# KiCad board TEC.kicad_pcb (continued)
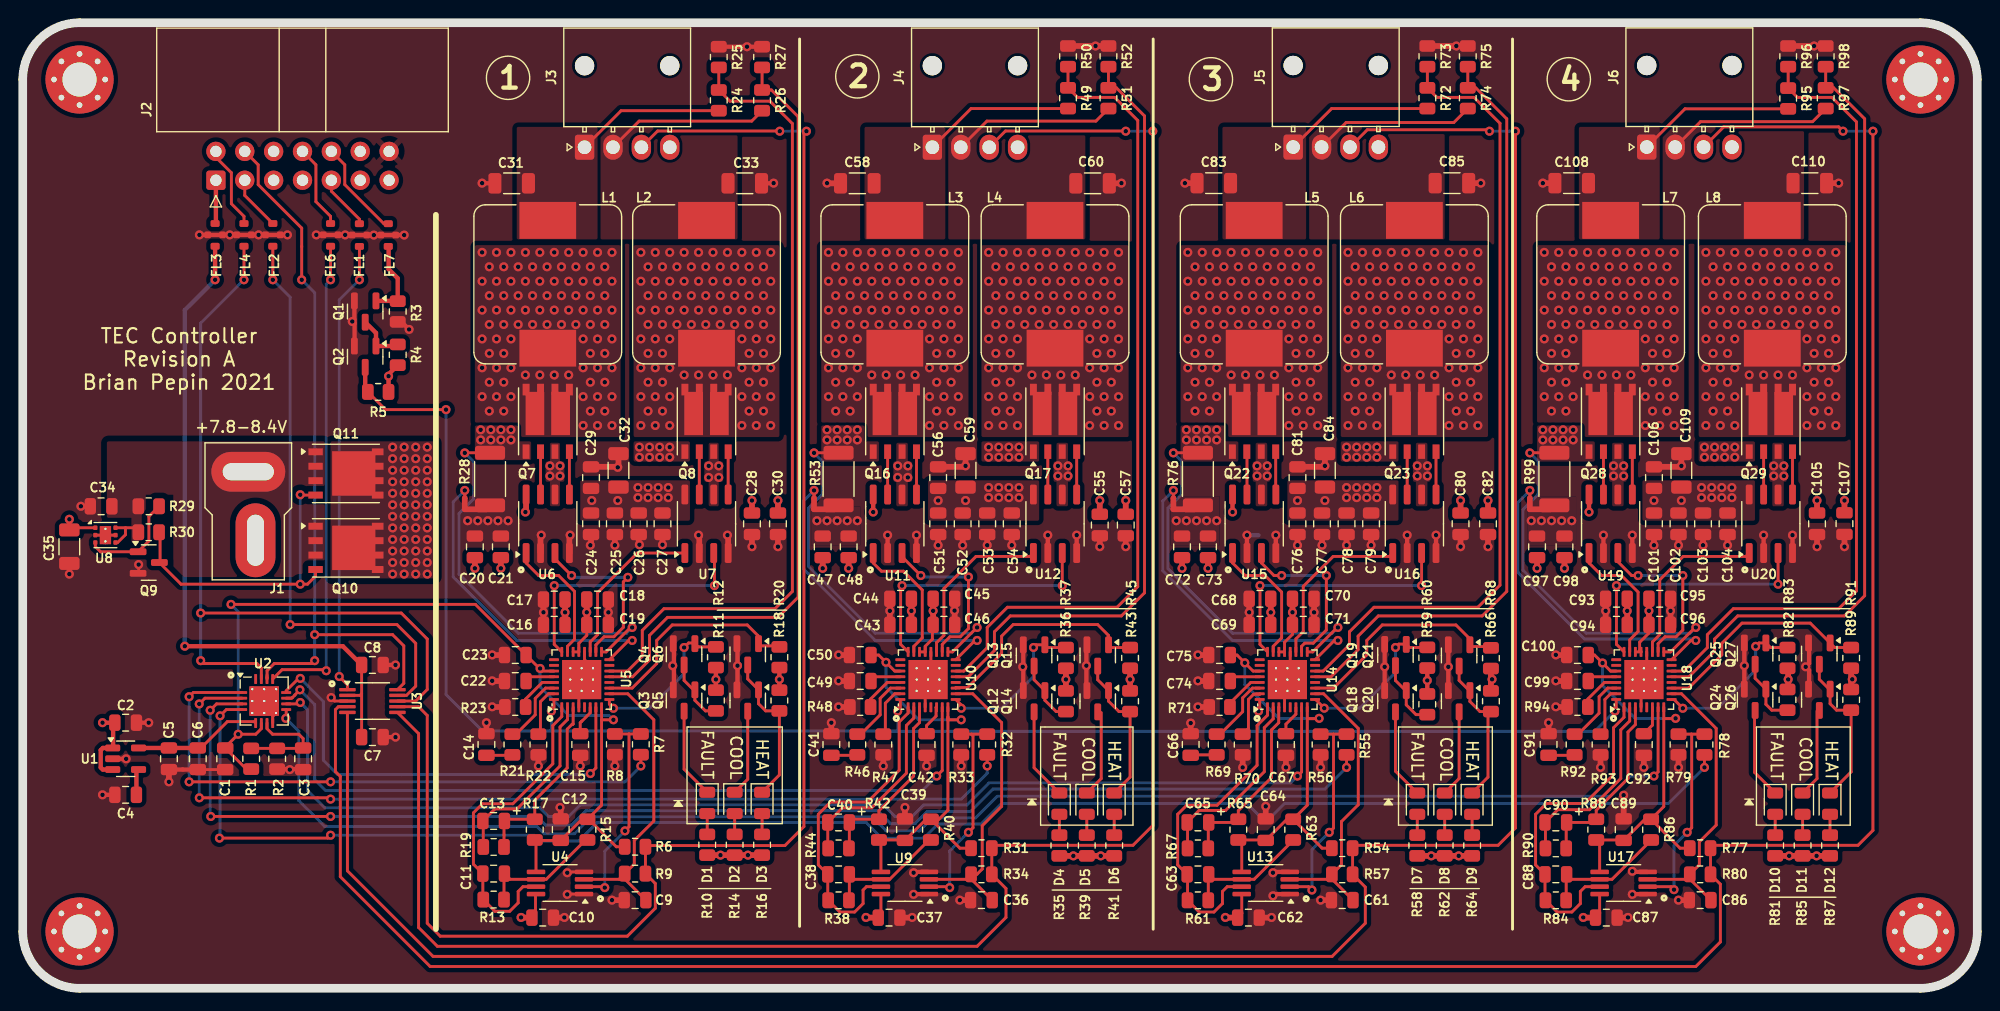
[diagram p0: board, top side]
## Routing (per net, layer and track width the routed paths; a pad name or vN(x,y) marks a point on that pad's centre or on a via; arc(x,y) is an arc through that point) (continued)
  vias: v1(133.77,49.16) v1(133.77,48.27) v1(134.66,49.16) v1(134.66,48.27) v1(135.55,49.16) v1(135.55,48.27) v1(136.44,49.16) v1(136.44,48.27) v1(147.99,47.64) v1(147.99,46.75) v1(148.88,47.64) v1(148.88,46.75) v1(149.77,47.64) v1(149.77,46.75) v1(150.66,47.64) v1(150.66,46.75)
Net-(Q29-D1):
  vias: v1(148.12,64.78) v1(148.12,62.24) v1(148.12,59.7) v1(148.12,57.16) v1(148.12,54.62) v1(148.12,52.08) v1(148.12,49.54) v1(148.75,63.51) v1(148.75,60.97) v1(148.75,58.43) v1(148.75,55.89) v1(148.75,53.35) v1(148.75,50.81) v1(149.39,64.78) v1(149.39,62.24) v1(149.39,59.7) v1(149.39,57.16) v1(149.39,54.62) v1(149.39,52.08) v1(149.39,49.54) v1(150.03,63.51) v1(150.03,60.97) v1(150.03,58.43) v1(150.03,55.89) v1(150.03,53.35) v1(150.03,50.81) v1(150.66,64.78) v1(150.66,62.24) v1(150.66,59.7) v1(150.66,57.16) v1(150.66,54.62) v1(150.66,52.08) v1(150.66,49.54) v1(151.29,63.51) v1(151.29,60.97) v1(151.29,58.43) v1(151.93,64.78) v1(151.93,62.24) v1(151.93,59.7) v1(151.93,53.99) v1(152.56,63.51) v1(152.56,60.97) v1(152.56,58.43) v1(153.2,64.78) v1(153.2,62.24) v1(153.2,59.7) v1(153.2,53.99) v1(153.84,63.51) v1(153.84,60.97) v1(153.84,58.43) v1(154.47,64.78) v1(154.47,62.24) v1(154.47,59.7) v1(154.47,53.99) v1(155.1,63.51) v1(155.1,60.97) v1(155.1,58.43) v1(155.74,64.78) v1(155.74,62.24) v1(155.74,59.7) v1(155.74,53.99) v1(156.38,63.51) v1(156.38,60.97) v1(156.38,58.43) v1(157.01,64.78) v1(157.01,62.24) v1(157.01,59.7) v1(157.01,57.16) v1(157.01,54.62) v1(157.01,52.08) v1(157.01,49.54) v1(157.65,63.51) v1(157.65,60.97) v1(157.65,58.43) v1(157.65,55.89) v1(157.65,53.35) v1(157.65,50.81) v1(158.28,64.78) v1(158.28,62.24) v1(158.28,59.7) v1(158.28,57.16) v1(158.28,54.62) v1(158.28,52.08) v1(158.28,49.54) v1(158.91,63.51) v1(158.91,60.97) v1(158.91,58.43) v1(158.91,55.89) v1(158.91,53.35) v1(158.91,50.81) v1(159.55,64.78) v1(159.55,62.24) v1(159.55,59.7) v1(159.55,57.16) v1(159.55,54.62) v1(159.55,52.08) v1(159.55,49.54)
Net-(Q29-G1): length 3.8
  Top w0.254: Q29.2 U20.7
Net-(Q29-G2): length 3.8
  Top w0.254: Q29.4 U20.5
Net-(U1-BP): length 2.3
  Top w0.381: C4.2 10.01,19.11 10.16,19.26
Net-(U1-VOUT): length 11.4
  Top w0.254: C6.2 15.69,21.16 18.01,23.47 20.37,23.47 U2.5
  Top w0.381: 10.16,21.16 C5.2 C6.2
Net-(U4-+IN): length 26.4
  Top w0.254: R9.1 52.47,9.59 U4.3 ; R9.1 52.97,9.62 C9.1 ; R9.1 53.82,10.94 53.82,13.01 55.54,14.73 55.54,23.64 53.25,25.92 U5.10
Net-(U4--IN): length 18.6
  Top w0.254: 53.35,22.39 53.35,14.21 v1(53,13.86) ; 53.35,22.39 R7.1 ; 53.35,22.39 R8.2 ; U4.2 51.14,8.94 v1(51.22,8.86)
  Bottom w0.254: v1(53,13.86) 51.22,12.08 v1(51.22,8.86)
Net-(U4-OUT): length 28.6
  Top w0.254: U5.1 47.44,23.92 46.65,23.13 46.65,19.76 43.13,16.24 40.46,16.24 39.66,15.44 39.66,10.92 C11.1 40.49,7.84 R13.1 41.56,6.78 42.86,6.78 43.6,7.52 43.6,8.52 44.02,8.94 U4.7
Net-(U4-RG): length 11.2
  Top w0.254: R15.2 49.53,13.05 46.07,9.59 U4.6 42.89,9.59 C11.2 42.35,10.06 R13.2
Net-(U5-CS-): length 29.5
  Top w0.254: v1(53.63,30.62) 53.32,30.62 U5.16 ; NT1.1 v1(38.9,43.83)
  Bottom w0.254: v1(38.9,43.83) 37.88,42.81 37.88,36.21 43.47,30.62 v1(53.63,30.62)
Net-(U5-CT): length 2.6
  Top w0.254: U5.28 44.67,27.42 C22.1
Net-(U5-EAOUT): length 16.5
  Top w0.254: R19.1 40.53,14.69 C13.2 41.55,15.78 43.5,15.78 47.28,19.57 47.28,23 47.94,23.66 U5.2
Net-(U5-FB): length 16.3
  Top w0.254: 42.39,12.48 42.35,12.52 42.35,14.69 C13.1 42.54,14.88 R17.1 45.06,16.55 47.92,19.41 47.92,22.81 48.34,23.24 48.41,23.24 48.44,23.27 U5.3
Net-(U5-NDRVA): length 14.6
  Top w0.254: U5.19 49.94,30.48 50.58,31.13 50.58,34.82 54.08,38.32 U7.1
Net-(U5-NDRVB): length 11.8
  Top w0.254: U6.1 44.3,37.44 45.4,36.33 47.16,36.33 48.55,34.94 48.55,30.72 47.94,30.11 U5.23
Net-(U5-PDRVA): length 15.8
  Top w0.254: U6.3 46.84,37.8 v1(48.3,36.33) ; v1(53.25,36.18) 52.85,35.78 52.85,31.77 52.02,30.95 51.16,30.95 50.44,30.22 U5.18
  Bottom w0.254: v1(48.3,36.33) 48.46,36.18 v1(53.25,36.18)
Net-(U5-PDRVB): length 23.1
  Top w0.254: U7.3 60.87,38.25 v1(60.87,35.45) ; U5.24 46.77,30.28 v1(46.77,35.45)
  Bottom w0.254: v1(46.77,35.45) 46.9,35.45 v1(60.87,35.45)
Net-(U5-PLLLPF): length 6.2
  Top w0.254: U5.30 46.01,26.42 45.1,25.52 45.1,24.07 43.4,22.37 R21.1
Net-(U5-RSLEW): length 4.4
  Top w0.254: R22.1 45.56,22.55 45.56,25.23 46.26,25.92 U5.31
Net-(U5-RT): length 3.8
  Top w0.254: U5.29 45.72,26.92 44.26,25.46 R23.2
Net-(U5-SS): length 2.7
  Top w0.254: U5.6 49.94,24.24 49.2,23.51 49.19,23.51 49.06,23.38 C15.2
Net-(U5-TEC+): length 71.2
  Top w0.254: U5.14 53.22,27.92 54.52,29.22 54.52,31.51 56.43,33.41 66.2,33.41 67.73,34.94 67.73,76.12 65.75,78.1 62.23,78.1 R24.1 R25.2
Net-(U5-TEC-): length 69.9
  Top w0.254: U5.13 53.68,27.42 55.16,28.91 55.16,31.06 56.74,32.65 66.46,32.65 68.24,34.43 68.24,76.73 65.89,79.08 R26.1 ; R26.1 R27.2 ; R26.1 65.76,79.08
Net-(U9--IN): length 18.6
  Top w0.254: U9.2 81.49,8.94 v1(81.57,8.86) ; R33.2 83.48,22.37 ; 83.48,22.37 83.62,22.23 83.62,14.13 v1(83.22,13.73) ; 83.48,22.37 R32.1
  Bottom w0.254: v1(81.57,8.86) 81.57,12.08 v1(83.22,13.73)
Net-(U9-RG): length 11.1
  Top w0.254: R38.2 72.74,7.78 C38.2 73.18,9.59 U9.6 76.29,9.59 79.75,13.05 R40.2
Net-(U10-CNTRL): length 29.2
  Top w0.254: U9.7 74.25,8.94 73.95,8.65 73.95,7.46 73.21,6.71 71.91,6.71 R38.1 70.84,7.78 C38.1 70.01,10.86 70.01,15.32 71.09,16.4 74.33,16.4 77.13,19.19 77.13,23.44 77.92,24.23 U10.1
Net-(U10-CS-): length 28.4
  Top w0.254: U10.16 83.8,30.62 v1(83.99,30.62) ; NT2.1 v1(69.63,43.83)
  Bottom w0.254: v1(69.63,43.83) 68.7,42.89 68.7,36.94 75.02,30.62 v1(83.99,30.62)
Net-(U10-CT): length 2.7
  Top w0.254: C49.1 75.03,27.42 U10.28
Net-(U10-EAOUT): length 17.1
  Top w0.254: U10.2 78.42,23.79 77.76,23.13 77.76,18.94 74.71,15.89 72.13,15.89 C40.2 70.84,12.35 R44.1
Net-(U10-FB): length 16.4
  Top w0.254: U10.3 78.92,23.39 78.4,22.87 78.4,18.68 75.35,15.63 R42.1 73.02,14.88 C40.1 72.74,12.35 R44.2
Net-(U10-NDRVA): length 15
  Top w0.254: U12.1 88.64,38.02 83.89,38.02 81.06,35.19 81.06,31.07 80.42,30.42 U10.19
Net-(U10-NDRVB): length 11.9
  Top w0.254: U10.23 78.42,30.11 79.16,30.85 79.16,35.06 77.51,36.72 75.57,36.72 74.84,37.44 U11.1
Net-(U10-PDRVA): length 15
  Top w0.254: U11.3 77.38,37.99 v1(79.03,36.33) ; U10.18 80.92,30.27 81.59,30.95 82.5,30.95 83.22,31.66 v1(83.22,36.21)
  Bottom w0.254: v1(83.22,36.21) 79.16,36.21 v1(79.03,36.33)
Net-(U10-PDRVB): length 23.1
  Top w0.254: v1(91.48,35.45) U12.3 ; U10.24 77.25,30.28 77.25,35.32 v1(77.38,35.45)
  Bottom w0.254: v1(77.38,35.45) v1(91.48,35.45)
Net-(U10-PLLLPF): length 6.3
  Top w0.254: U10.30 76.36,26.42 75.45,25.52 75.45,24.07 73.75,22.37 R46.1
Net-(U10-RSLEW): length 4.4
  Top w0.254: 77.2,25.92 76.74,25.92 75.91,25.1 75.91,22.55 R47.1
Net-(U10-RT): length 3.9
  Top w0.254: R48.2 74.61,25.46 76.07,26.92 U10.29
Net-(U10-SS): length 2.7
  Top w0.254: U10.6 80.39,24.74 80.37,24.72 80.37,23.96 79.54,23.13 C42.2
Net-(U10-TEC+): length 70.4
  Top w0.254: U10.14 82.81,27.92 84.87,29.98 84.87,31.76 86.65,33.54 96.3,33.54 98.12,35.36 98.12,76.4 96.09,78.43 92.83,78.43 R49.1 R50.2
Net-(U10-TEC-): length 68.7
  Top w0.254: U10.13 83.2,27.42 85.51,29.73 85.51,31.38 86.91,32.78 96.69,32.78 98.72,34.81 98.72,76.79 96.24,79.27 R51.1 R52.2
Net-(U10-VTHRM): length 26.8
  Top w0.254: R34.1 83.02,9.59 U9.3 ; R34.1 83.45,9.62 C36.1 ; R34.1 83.97,10.03 84.44,10.5 84.44,14.31 86.14,16.01 86.14,23.38 83.6,25.92 U10.10
Net-(U13-+IN): length 25.8
  Top w0.254: R57.1 116.05,10.87 116.05,14.68 117.53,16.16 117.53,22.88 114.48,25.92 U14.10 ; R57.1 115.2,9.62 C61.1 ; R57.1 114.77,9.59 U13.3
Net-(U13--IN): length 18.9
  Top w0.254: 115.35,22.37 115.35,14.1 v1(114.97,13.73) ; 115.35,22.37 R55.1 ; 115.35,22.37 R56.2 ; U13.2 113.16,8.94 v1(113.45,8.65)
  Bottom w0.254: v1(114.97,13.73) 113.45,12.21 v1(113.45,8.65)
Net-(U13-OUT): length 28.9
  Top w0.254: U14.1 109.54,24.04 108.62,23.13 108.62,19.63 105.1,16.11 102.43,16.11 101.64,15.32 101.64,10.86 C63.1 102.5,9.99 R61.1 103.53,6.71 104.83,6.71 105.57,7.46 105.57,8.52 106,8.94 U13.7
Net-(U13-RG): length 11.4
  Top w0.254: R63.2 111.8,13.03 108.36,9.59 U13.6 104.8,9.59 C63.2 104.33,9.99 R61.2
Net-(U14-CS-): length 28.8
  Top w0.254: NT3.1 v1(101.26,43.83) ; v1(115.73,30.62) 115.42,30.62 U14.16
  Bottom w0.254: v1(101.26,43.83) 100.32,42.89 100.32,36.75 106.45,30.62 v1(115.73,30.62)
Net-(U14-CT): length 2.7
  Top w0.254: C74.1 106.65,27.42 U14.28
Net-(U14-EAOUT): length 16.9
  Top w0.254: R67.1 102.5,14.56 C65.2 103.52,15.66 105.85,15.66 109.26,19.06 109.26,22.94 110.04,23.72 U14.2
Net-(U14-FB): length 16.4
  Top w0.254: R67.2 104.33,14.56 C65.1 106.69,14.6 R65.1 106.97,15.63 109.89,18.56 109.89,22.75 110.53,23.38 110.53,24.73 U14.3
Net-(U14-NDRVA): length 15.1
  Top w0.254: U14.19 112.04,30.76 112.69,31.41 112.69,35.38 115.32,38.02 120.26,38.02 U16.1
Net-(U14-NDRVB): length 11.8
  Top w0.254: U15.1 106.46,37.44 107.57,36.33 109.32,36.33 110.78,34.88 110.78,30.85 110.04,30.11 U14.23
Net-(U14-PDRVA): length 15.1
  Top w0.254: v1(110.78,36.33) 110.11,36.33 109,37.44 U15.3 ; U14.18 112.54,30.11 112.81,30.38 113.56,30.38 114.72,31.54 v1(114.72,36.34)
  Bottom w0.254: v1(110.78,36.33) 114.72,36.33 v1(114.72,36.34)
Net-(U14-PDRVB): length 23.2
  Top w0.254: v1(123.1,35.45) U16.3 ; U14.24 108.88,30.28 v1(108.88,35.45)
  Bottom w0.254: v1(123.1,35.45) v1(108.88,35.45)
Net-(U14-PLLLPF): length 6.2
  Top w0.254: U14.30 108.21,26.42 107.35,25.56 107.35,24.35 105.38,22.37 R69.1
Net-(U14-RSLEW): length 4.5
  Top w0.254: U14.31 108.85,25.9 108.84,25.88 108.32,25.88 107.86,25.43 107.86,22.88 R70.1
Net-(U14-RT): length 3.7
  Top w0.254: R71.2 106.23,25.09 108.07,26.92 U14.29
Net-(U14-SS): length 2.7
  Top w0.254: C67.2 111.16,23.25 112.04,24.13 112.04,24.71
Net-(U14-TEC+): length 70.3
  Top w0.254: U14.14 114.44,27.92 116.75,30.24 116.75,31.38 118.91,33.54 128.05,33.54 130,35.49 130,76.14 127.72,78.43 124.45,78.43 R72.1 R73.2
Net-(U14-TEC-): length 68.7
  Top w0.254: U14.13 115.13,27.42 117.51,29.81 117.51,31 119.29,32.78 128.44,32.78 130.59,34.94 130.59,76.54 127.87,79.27 R74.1 R75.2
Net-(U17-+IN): length 25.9
  Top w0.254: U17.3 146.26,9.59 R80.1 ; C86.1 146.7,9.62 R80.1 ; R80.1 147.54,10.87 147.54,12.88 149.02,14.36 149.02,22.88 145.97,25.92 U18.10
Net-(U17--IN): length 19.1
  Top w0.254: U17.2 145.05,8.94 v1(145.31,8.68) ; 146.84,22.37 R78.1 ; 146.84,22.37 146.87,22.35 146.87,14.13 v1(146.47,13.73) ; 146.84,22.37 R79.2
  Bottom w0.254: v1(146.47,13.73) 145.31,12.57 v1(145.31,8.68)
Net-(U17-OUT): length 29.3
  Top w0.254: U18.1 140.91,23.86 139.99,22.94 139.99,18.81 137.45,16.27 134.08,16.27 133.13,15.32 133.13,10.86 C88.1 133.96,7.78 R84.1 135.03,6.71 136.33,6.71 137.07,7.46 137.07,8.52 137.49,8.94 U17.7
Net-(U17-RG): length 11.4
  Top w0.254: R86.2 143.29,13.03 139.86,9.59 U17.6 136.3,9.59 C88.2 135.82,9.99 R84.2
Net-(U18-CS-): length 29.3
  Top w0.254: v1(147.23,30.62) 146.8,30.62 U18.16 ; NT4.1 v1(132.63,43.83)
  Bottom w0.254: v1(147.23,30.62) 147.1,30.75 137.44,30.75 131.57,36.62 131.57,42.77 v1(132.63,43.83)
Net-(U18-CT): length 2.6
  Top w0.254: U18.28 138.14,27.42 C99.1
Net-(U18-EAOUT): length 17.2
  Top w0.254: U18.2 141.41,23.53 140.63,22.75 140.63,18.47 137.88,15.72 135.08,15.72 C90.2 134,14.56 R90.1
Net-(U18-FB): length 16.3
  Top w0.254: U18.3 141.91,23.21 141.26,22.56 141.26,18.46 138.47,15.67 R88.1 138.19,14.6 C90.1 135.82,14.56 R90.2
Net-(U18-NDRVA): length 15.5
  Top w0.254: U20.1 151.63,38.02 146.12,38.02 144.06,35.95 144.06,31.13 143.41,30.48 U18.19
Net-(U18-NDRVB): length 11.8
  Top w0.254: U19.1 137.83,37.44 138.94,36.33 140.69,36.33 142.15,34.88 142.15,31.41 141.41,30.67 U18.23
Net-(U18-PDRVA): length 15.2
  Top w0.254: U19.3 140.37,37.55 141.59,36.33 v1(142.15,36.33) ; U18.18 143.91,30.34 144.52,30.95 145.5,30.95 146.09,31.54 v1(146.09,36.34)
  Bottom w0.254: v1(142.15,36.33) v1(146.09,36.33)
Net-(U18-PDRVB): length 23.1
  Top w0.254: U18.24 140.25,30.28 v1(140.25,35.45) ; v1(154.47,35.57) U20.3
  Bottom w0.254: v1(154.47,35.57) 140.37,35.57 v1(140.25,35.45)
Net-(U18-PLLLPF): length 6.2
  Top w0.254: R92.1 136.87,22.37 138.72,24.22 138.72,25.67 139.48,26.42 U18.30
Net-(U18-RSLEW): length 4.4
  Top w0.254: R93.1 139.23,22.75 139.23,25.42 139.73,25.92 U18.31
Net-(U18-RT): length 3.8
  Top w0.254: R94.2 137.73,25.46 139.19,26.92 U18.29
Net-(U18-SS): length 2.6
  Top w0.254: U18.6 143.41,23.16 C92.2
Net-(U18-TEC+): length 70.3
  Top w0.254: R96.2 R95.1 156.18,78.43 159.21,78.43 161.37,76.27 161.37,34.98 159.8,33.41 150.53,33.41 148.25,31.13 148.25,29.98 146.19,27.92 U18.14
Net-(U18-TEC-): length 69
  Top w0.254: R98.2 R97.1 159.36,79.27 162.09,76.54 162.09,34.56 160.31,32.78 150.91,32.78 148.88,30.75 148.88,29.68 146.63,27.42 U18.13

## Copper pours and planes (outline as drawn; the poured copper is in the pictures)
+5V on In2.Cu: 172,0 0,0 0,85 172,85
GND on Top: 172,0 0,0 0,85 172,85
GND on Top: 136.69,39 132.44,39 132.44,43.32 136.69,43.32
GND on Top: 105.32,39 101,39 101,43.32 105.32,43.32
GND on Top: 73.7,39 69.38,39 69.38,42.42 73.7,42.42
GND on Top: 43.09,39 38.65,39 38.65,43.32 43.09,43.32
GND on Bottom: 172,0 0,0 0,85 172,85
GND on In1.Cu: 172,0 0,0 0,85 172,85
+BATT on Top: 26.58,35.95 13.25,35.95 13.25,43.45 10.83,43.45 10.83,39.13 9.56,39.13 9.56,41.42 7.4,41.42 7.4,48.15 26.58,48.15
+VDC on Top: 152.44,41.16 142.53,41.16 142.53,44.72 152.44,44.72
+VDC on Top: 154.98,46.37 155.23,46.37 155.23,44.59 154.98,44.59 154.98,42.43 153.96,42.43 153.96,44.59 153.71,44.59 153.71,46.37 153.96,46.37 153.96,48.02 154.98,48.02
+VDC on Top: 140.88,46.37 141.13,46.37 141.13,44.59 140.88,44.59 140.88,42.43 139.87,42.43 139.87,44.59 139.61,44.59 139.61,46.37 139.87,46.37 139.87,48.02 140.88,48.02
+VDC on Top: 121.07,41.16 111.29,41.16 111.29,44.72 121.07,44.72
+VDC on Top: 123.61,46.37 123.86,46.37 123.86,44.59 123.61,44.59 123.61,42.43 122.59,42.43 122.59,44.59 122.34,44.59 122.34,46.37 122.59,46.37 122.59,48.02 123.61,48.02
+VDC on Top: 109.51,46.37 109.77,46.37 109.77,44.59 109.51,44.59 109.51,42.43 108.5,42.43 108.5,44.59 108.24,44.59 108.24,46.37 108.5,46.37 108.5,48.02 109.51,48.02
+VDC on Top: 89.45,41.16 79.67,41.16 79.67,44.72 89.45,44.72
+VDC on Top: 91.99,46.37 92.24,46.37 92.24,44.59 91.99,44.59 91.99,42.43 90.97,42.43 90.97,44.59 90.72,44.59 90.72,46.37 90.97,46.37 90.97,48.02 91.99,48.02
+VDC on Top: 77.89,46.37 78.27,46.37 78.27,44.59 77.89,44.59 77.89,42.43 76.87,42.43 76.87,44.59 76.62,44.59 76.62,46.37 76.87,46.37 76.87,48.02 77.89,48.02
+VDC on Top: 58.71,41.16 49.06,41.16 49.06,44.72 58.71,44.72
+VDC on Top: 47.28,46.37 47.66,46.37 47.66,44.59 47.28,44.59 47.28,42.43 46.39,42.43 46.39,44.59 46.01,44.59 46.01,46.37 46.39,46.37 46.39,48.02 47.28,48.02
+VDC on Top: 61.25,46.37 61.63,46.37 61.63,44.59 61.25,44.59 61.25,42.43 60.36,42.43 60.36,44.59 59.98,44.59 59.98,46.37 60.36,46.37 60.36,48.02 61.25,48.02
+VDC on Top: 36.36,36.08 27.09,36.08 27.09,48.15 36.36,48.15
+VDC on In2.Cu: 162.85,36.33 27.59,36.33 27.59,48.4 162.85,48.4
/LTC1923Channel/TECN on Top: 62.9,65.93 50.84,65.93 50.84,75.83 62.9,75.83
/LTC1923Channel/TECP on Top: 50.58,65.93 43.47,65.93 43.47,75.83 50.58,75.83
/sheet609B3708/TECN on Top: 93.51,65.93 81.44,65.93 81.44,75.83 93.51,75.83
/sheet609B3708/TECP on Top: 81.19,65.93 74.08,65.93 74.08,75.83 81.19,75.83
/sheet609BE7FC/TECN on Top: 125.13,65.93 113.19,65.93 113.19,75.83 125.13,75.83
/sheet609BE7FC/TECP on Top: 112.94,65.93 105.57,65.93 105.57,75.83 112.94,75.83
/sheet609C9431/TECN on Top: 156.76,65.93 144.31,65.93 144.31,75.83 156.76,75.83
/sheet609C9431/TECP on Top: 144.06,65.93 136.94,65.93 136.94,75.83 144.06,75.83
Net-(Q7-D1) on Top: 52.62,48.53 39.79,48.53 39.79,65.42 52.62,65.42
Net-(Q7-D1) on Bottom: 52.62,48.53 39.79,48.53 39.79,65.42 52.62,65.42
Net-(Q7-D1) on In1.Cu: 52.62,48.53 39.79,48.53 39.79,65.42 52.62,65.42
Net-(Q7-D1) on In2.Cu: 52.62,48.53 39.79,48.53 39.79,65.42 52.62,65.42
Net-(Q7-S1) on Top: 43.6,48.15 44.74,48.15 44.74,46.5 39.79,46.5 39.79,49.54 43.6,49.54
Net-(Q7-S1) on Top: 58.71,46.37 53.76,46.37 53.76,48.15 58.71,48.15
Net-(Q7-S1) on Bottom: 43.85,48.15 58.71,48.15 58.71,46.37 40.3,46.37 39.79,46.88 39.79,49.54 43.85,49.54
Net-(Q7-S1) on In2.Cu: 58.71,46.37 39.79,46.37 39.79,49.54 43.85,49.54 43.85,48.15 58.71,48.15
Net-(Q8-D1) on Top: 66.59,48.53 53.76,48.53 53.76,65.42 66.59,65.42
Net-(Q8-D1) on Bottom: 66.59,48.53 53.76,48.53 53.76,65.42 66.59,65.42
Net-(Q8-D1) on In1.Cu: 66.59,48.53 53.76,48.53 53.76,65.42 66.59,65.42
Net-(Q8-D1) on In2.Cu: 66.59,48.53 53.76,48.53 53.76,65.42 66.59,65.42
Net-(Q16-D1) on Top: 83.22,48.53 70.27,48.53 70.27,65.42 83.22,65.42
Net-(Q16-D1) on Bottom: 83.22,48.53 70.27,48.53 70.27,65.42 83.22,65.42
Net-(Q16-D1) on In1.Cu: 83.22,48.53 70.27,48.53 70.27,65.42 83.22,65.42
Net-(Q16-D1) on In2.Cu: 83.22,48.53 70.27,48.53 70.27,65.42 83.22,65.42
Net-(Q16-S1) on Top: 89.45,46.37 84.37,46.37 84.37,48.15 89.45,48.15
Net-(Q16-S1) on Top: 74.08,48.15 75.35,48.15 75.35,46.37 70.27,46.37 70.27,49.54 74.08,49.54
Net-(Q16-S1) on Bottom: 74.21,48.15 89.45,48.15 89.45,46.37 71.03,46.37 70.27,47.13 70.27,49.54 74.21,49.54
Net-(Q16-S1) on In2.Cu: 74.21,48.15 89.45,48.15 89.45,46.37 70.27,46.37 70.27,49.54 74.21,49.54
Net-(Q17-D1) on Top: 97.32,48.53 84.37,48.53 84.37,65.42 97.32,65.42
Net-(Q17-D1) on Bottom: 97.32,48.53 84.37,48.53 84.37,65.42 97.32,65.42
Net-(Q17-D1) on In1.Cu: 97.32,48.53 84.37,48.53 84.37,65.42 97.32,65.42
Net-(Q17-D1) on In2.Cu: 97.32,48.53 84.37,48.53 84.37,65.42 97.32,65.42
Net-(Q22-D1) on Top: 114.85,48.53 101.89,48.53 101.89,65.42 114.85,65.42
Net-(Q22-D1) on Bottom: 114.85,48.53 101.89,48.53 101.89,65.42 114.85,65.42
Net-(Q22-D1) on In1.Cu: 114.85,48.53 101.89,48.53 101.89,65.42 114.85,65.42
Net-(Q22-D1) on In2.Cu: 114.85,48.53 101.89,48.53 101.89,65.42 114.85,65.42
Net-(Q22-S1) on Top: 121.07,46.37 115.99,46.37 115.99,48.15 121.07,48.15
Net-(Q22-S1) on Top: 105.83,48.15 106.97,48.15 106.97,46.37 101.89,46.37 101.89,49.54 105.83,49.54
Net-(Q22-S1) on Bottom: 105.83,48.15 121.07,48.15 121.07,46.37 102.78,46.37 101.89,47.26 101.89,49.54 105.83,49.54
Net-(Q22-S1) on In2.Cu: 105.83,48.15 121.07,48.15 121.07,46.37 101.89,46.37 101.89,49.54 105.83,49.54
Net-(Q23-D1) on Top: 128.94,48.53 115.99,48.53 115.99,65.42 128.94,65.42
Net-(Q23-D1) on Bottom: 128.94,48.53 115.99,48.53 115.99,65.42 128.94,65.42
Net-(Q23-D1) on In1.Cu: 128.94,48.53 115.99,48.53 115.99,65.42 128.94,65.42
Net-(Q23-D1) on In2.Cu: 128.94,48.53 115.99,48.53 115.99,65.42 128.94,65.42
Net-(Q28-D1) on Top: 146.22,48.53 133.26,48.53 133.26,65.42 146.22,65.42
Net-(Q28-D1) on Bottom: 146.22,48.53 133.26,48.53 133.26,65.42 146.22,65.42
Net-(Q28-D1) on In1.Cu: 146.22,48.53 133.26,48.53 133.26,65.42 146.22,65.42
Net-(Q28-D1) on In2.Cu: 146.22,48.53 133.26,48.53 133.26,65.42 146.22,65.42
Net-(Q28-S1) on Top: 152.44,46.37 147.49,46.37 147.49,48.15 152.44,48.15
Net-(Q28-S1) on Top: 137.2,48.15 138.34,48.15 138.34,46.37 133.26,46.37 133.26,49.54 137.2,49.54
Net-(Q28-S1) on Bottom: 137.2,48.15 152.44,48.15 152.44,46.37 134.15,46.37 133.26,47.26 133.26,49.54 137.2,49.54
Net-(Q28-S1) on In2.Cu: 137.2,48.15 152.44,48.15 152.44,46.37 133.26,46.37 133.26,49.54 137.2,49.54
Net-(Q29-D1) on Top: 160.44,48.53 147.49,48.53 147.49,65.42 160.44,65.42
Net-(Q29-D1) on Bottom: 160.44,48.53 147.49,48.53 147.49,65.42 160.44,65.42
Net-(Q29-D1) on In1.Cu: 160.44,48.53 147.49,48.53 147.49,65.42 160.44,65.42
Net-(Q29-D1) on In2.Cu: 160.44,48.53 147.49,48.53 147.49,65.42 160.44,65.42

## Text on the board
F.Silkscreen: + | +7.8-8.4V | FAULT | COOL | HEAT | TEC Controller / Revision A / Brian Pepin 2021 | 1 | 2 | 3 | 4
